# KiCad board 100p-keebored.kicad_pcb (continued)
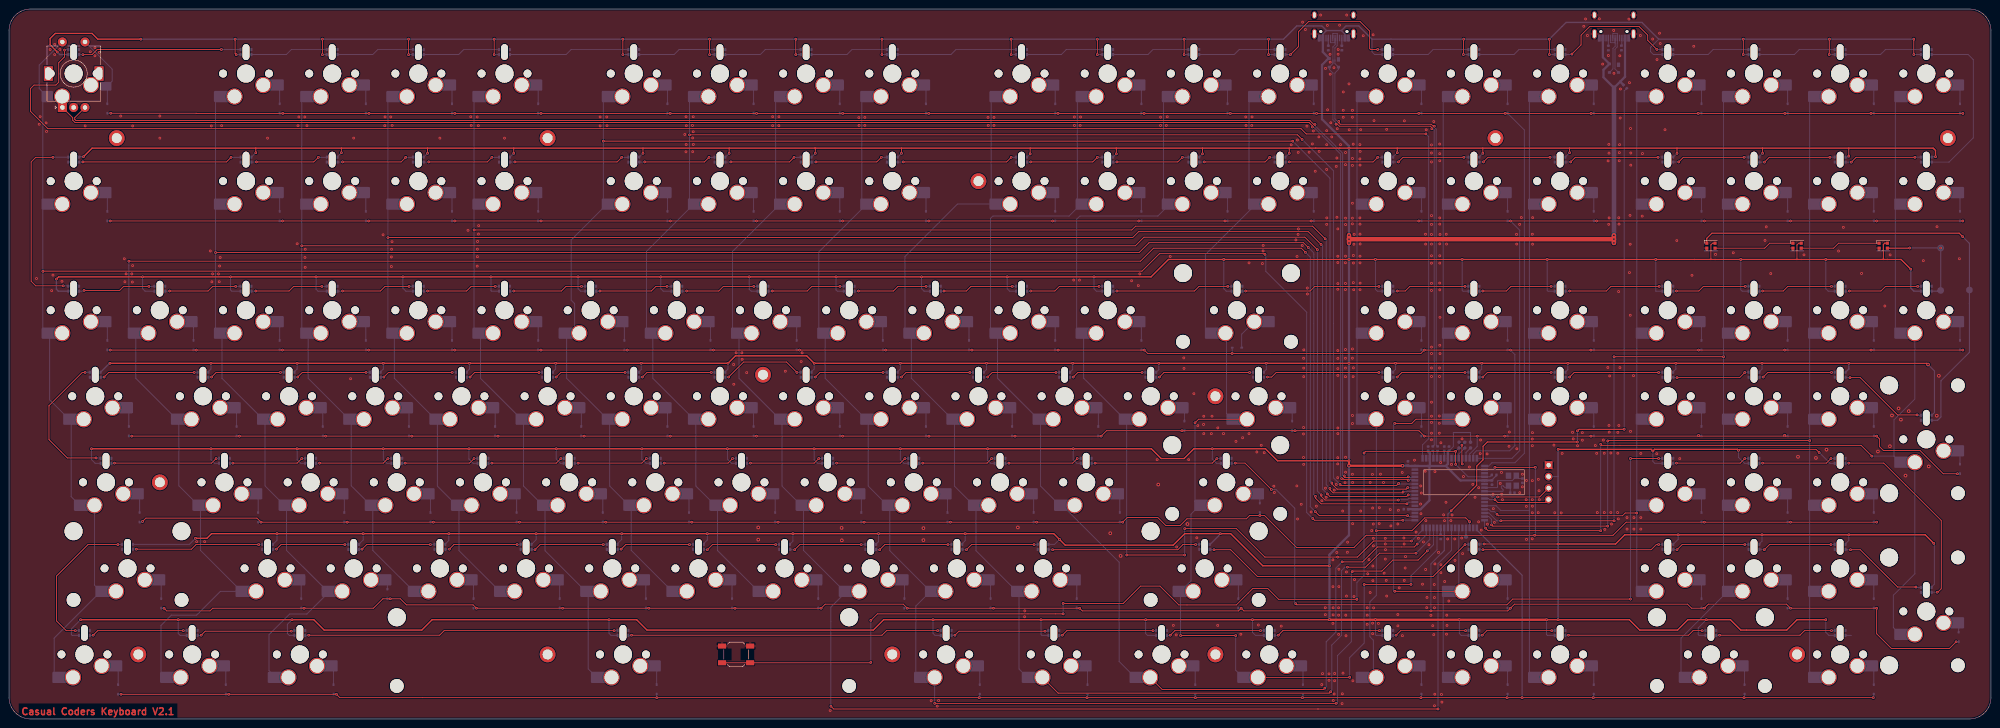
[diagram p0: board, top side]
## Placement (name value [footprint] x y rotation side) (continued)
SW127  SW_Push  [SW_Hotswap_Kailh_MX_plated_1.00u]  342.9 14.29 180 top
SW128  SW_Push  [SW_Hotswap_Kailh_MX_plated_2.00u]  376.24 14.29 180 top
SW129  SW_Push  [SW_Hotswap_Kailh_MX_plated_1.00u]  404.81 14.29 180 top
SW130  RotaryEncoder_Switch  [RotaryEncoder_Alps_EC11E-Switch_Vertical_H20mm]  14.29 142.88 90 top
SW200  SW_Push  [SW_SPST_SKQG_WithStem]  160.73 14.29 0 top
U1  AT90USB1286-A  [TQFP-64_14x14mm_P0.8mm]  318.49 50.01 270 bottom
U2  WS2812B-2020  [LED_WS2812B-2020_PLCC4_2.0x2.0mm]  414.34 104.77 0 top
U3  WS2812B-2020  [LED_WS2812B-2020_PLCC4_2.0x2.0mm]  395.29 104.77 0 top
U4  WS2812B-2020  [LED_WS2812B-2020_PLCC4_2.0x2.0mm]  376.24 104.77 0 top
Y1  JYJE 3TJ480000JYLBC  [Crystal_SMD_3225-4Pin_3.2x2.5mm]  332.35 52.76 270 bottom

## Library data of the parts
C1 C2 C8 = -: Description: Unpolarized capacitor, small symbol
C3-C7 = -: Description: Unpolarized capacitor
D1 D3-D129 = -: Description: Diode
D130 D200 = -: Description: Ultra low capacitance double rail-to-rail ESD protection diode, SOT-143
D201 D203-D329 = -: Description: RGB LED with integrated controller
J1 = -: Description: Atmel 6-pin ISP connector
J2 J3 = -: Description: USB 2.0-only Type-C Receptacle connector
J4 = -: Description: Generic connector, single row, 01x04, script generated (kicad-library-utils/schlib/autogen/connector/)
R1-R6 R9 = -: Description: Resistor
R7 R8 = -: Description: Resistor, small symbol
SW1 SW3-SW129 SW200 = -: Description: Push button switch, generic, two pins
SW130 = -: Description: Rotary encoder, dual channel, incremental quadrate outputs, with switch
U1 = -: Description: 16MHz, 128kB Flash, 8kB SRAM, 4kB EEPROM, USB 2.0, TQFP-64
Y1 = -: Description: Four pin crystal, GND on pins 2 and 4

## Footprints (pads in the part's own frame, mm; a bottom-side part is the same pattern mirrored in y, then rotated)
C_0402_1005Metric
  rrect 0.56x0.62 smd: 1(-0.48,0) 2(0.48,0)
Crystal_SMD_3225-4Pin_3.2x2.5mm
  rect 1.4x1.2 smd: 1(-1.1,-0.85) 2(1.1,-0.85) 3(1.1,0.85) 4(-1.1,0.85)
D_SOD-323
  rrect 0.6x0.45 smd: 1(-1.05,0) 2(1.05,0)
LED_WS2812B-2020_PLCC4_2.0x2.0mm
  rect 0.7x0.7 smd: 1(-0.915,0.55) 2(-0.915,-0.55) 3(0.915,-0.55) 4(0.915,0.55)
R_0402_1005Metric
  rrect 0.54x0.64 smd: 1(-0.51,0) 2(0.51,0)
RotaryEncoder_Alps_EC11E-Switch_Vertical_H20mm
  rect 2x2 hole 1: A(-7.5,2.5)
  round 2 hole 1: B(-7.5,-2.5) C(-7.5,0) S1(7,-2.5) S2(7,2.5)
  rect 3.2x2 hole 2.8x1.5: MP(0,5.6) MP(0,-5.6)
SOT-143
  rect 0.7x1 smd: 1(-1,0.75)
  rect 0.7x0.6 smd: 2(-1,-0.95) 3(1,-0.95) 4(1,0.95)
SSD1306_128_32
  rect 1.7x1.7 hole 1: 1(16.51,3.81)
  round 1.7 hole 1: 2(16.51,1.27) 3(16.51,-1.27) 4(16.51,-3.81)
Stabilizer_Cherry_MX_2.00u
  round 3.048 hole 3.048 unplated: (-11.938,6.985) (11.938,6.985)
  round 3.988 hole 3.988 unplated: (-11.938,-8.225) (11.938,-8.225)
Stabilizer_Cherry_MX_6.25u
  round 3.048 hole 3.048 unplated: (-50,6.985) (50,6.985)
  round 3.988 hole 3.988 unplated: (-50,-8.225) (50,-8.225)
SW_Hotswap_Kailh_MX_plated_1.00u
  rrect 2.55x2.5 smd: (-7.085,2.54) (5.842,5.08)
  round 1.75 hole 1.75 unplated: (-5.08,0) (5.08,0)
  round 3.1 smd: (-3.81,2.54) (2.54,5.08)
  round 4 hole 4 unplated: (0,0)
  rrect 3.55x2.5 smd far side: 1(-6.585,2.54) 2(5.32,5.08)
  round 3.6 hole 3.05: 1(-3.81,2.54) 2(2.54,5.08)
SW_Hotswap_Kailh_MX_plated_1.00u#2
  rrect 2.55x2.5 smd: (-7.085,2.54) (5.842,5.08)
  round 1.75 hole 1.75 unplated: (-5.08,0) (5.08,0)
  round 3.1 smd: (-3.81,2.54) (2.54,5.08)
  round 4 hole 4 unplated: (0,0)
  rrect 2.56x1.94 smd far side: 1(-7.08,2.82)
  round 3.6 hole 3.05: 1(-3.81,2.54) 2(2.54,5.08)
  rrect 2.54x2.5 smd far side: 2(5.842,5.08)
SW_Hotswap_Kailh_MX_plated_1.25u
  rrect 2.55x2.5 smd: (-7.085,2.54) (5.842,5.08)
  round 1.75 hole 1.75 unplated: (-5.08,0) (5.08,0)
  round 3.1 smd: (-3.81,2.54) (2.54,5.08)
  round 4 hole 4 unplated: (0,0)
  rrect 3.55x2.5 smd far side: 1(-6.585,2.54) 2(5.32,5.08)
  round 3.6 hole 3.05: 1(-3.81,2.54) 2(2.54,5.08)
SW_Hotswap_Kailh_MX_plated_1.50u
  rrect 2.55x2.5 smd: (-7.085,2.54) (5.842,5.08)
  round 1.75 hole 1.75 unplated: (-5.08,0) (5.08,0)
  round 3.1 smd: (-3.81,2.54) (2.54,5.08)
  round 4 hole 4 unplated: (0,0)
  rrect 3.55x2.5 smd far side: 1(-6.585,2.54) 2(5.32,5.08)
  round 3.6 hole 3.05: 1(-3.81,2.54) 2(2.54,5.08)
SW_Hotswap_Kailh_MX_plated_1.75u
  rrect 2.55x2.5 smd: (-7.085,2.54) (5.842,5.08)
  round 1.75 hole 1.75 unplated: (-5.08,0) (5.08,0)
  round 3.1 smd: (-3.81,2.54) (2.54,5.08)
  round 4 hole 4 unplated: (0,0)
  rrect 3.55x2.5 smd far side: 1(-6.585,2.54) 2(5.32,5.08)
  round 3.6 hole 3.05: 1(-3.81,2.54) 2(2.54,5.08)
SW_Hotswap_Kailh_MX_plated_2.00u
  rrect 2.55x2.5 smd: (-7.085,2.54) (5.842,5.08)
  round 1.75 hole 1.75 unplated: (-5.08,0) (5.08,0)
  round 3.1 smd: (-3.81,2.54) (2.54,5.08)
  round 4 hole 4 unplated: (0,0)
  rrect 3.55x2.5 smd far side: 1(-6.585,2.54) 2(5.32,5.08)
  round 3.6 hole 3.05: 1(-3.81,2.54) 2(2.54,5.08)
SW_Hotswap_Kailh_MX_plated_2.00u_90deg
  rrect 2.55x2.5 smd: (-7.085,2.54) (5.842,5.08)
  round 1.75 hole 1.75 unplated: (-5.08,0) (5.08,0)
  round 3.1 smd: (-3.81,2.54) (2.54,5.08)
  round 4 hole 4 unplated: (0,0)
  rrect 3.55x2.5 smd far side: 1(-6.585,2.54) 2(5.32,5.08)
  round 3.6 hole 3.05: 1(-3.81,2.54) 2(2.54,5.08)
SW_Hotswap_Kailh_MX_plated_2.25u
  rrect 2.55x2.5 smd: (-7.085,2.54) (5.842,5.08)
  round 1.75 hole 1.75 unplated: (-5.08,0) (5.08,0)
  round 3.1 smd: (-3.81,2.54) (2.54,5.08)
  round 4 hole 4 unplated: (0,0)
  rrect 3.55x2.5 smd far side: 1(-6.585,2.54) 2(5.32,5.08)
  round 3.6 hole 3.05: 1(-3.81,2.54) 2(2.54,5.08)
SW_Hotswap_Kailh_MX_plated_2.75u
  rrect 2.55x2.5 smd: (-7.085,2.54) (5.842,5.08)
  round 1.75 hole 1.75 unplated: (-5.08,0) (5.08,0)
  round 3.1 smd: (-3.81,2.54) (2.54,5.08)
  round 4 hole 4 unplated: (0,0)
  rrect 3.55x2.5 smd far side: 1(-6.585,2.54) 2(5.32,5.08)
  round 3.6 hole 3.05: 1(-3.81,2.54) 2(2.54,5.08)
SW_Hotswap_Kailh_MX_plated_6.25u
  rrect 2.55x2.5 smd: (-7.085,2.54) (5.842,5.08)
  round 1.75 hole 1.75 unplated: (-5.08,0) (5.08,0)
  round 3.1 smd: (-3.81,2.54) (2.54,5.08)
  round 4 hole 4 unplated: (0,0)
  rrect 3.55x2.5 smd far side: 1(-6.585,2.54) 2(5.32,5.08)
  round 3.6 hole 3.05: 1(-3.81,2.54) 2(2.54,5.08)
SW_SPST_SKQG_WithStem
  rect 1.8x1.1 smd: 1(-3.1,1.85) 1(3.1,1.85) 2(-3.1,-1.85) 2(3.1,-1.85)
Tag-Connect_TC2030-IDC-NL_2x03_P1.27mm_Vertical
  round 0.787 smd: 1(-1.27,-0.635) 2(-1.27,0.635) 3(0,-0.635) 4(0,0.635) 5(1.27,-0.635) 6(1.27,0.635)
TestPoint_Pad_D1.0mm
  round 1 smd: 1(0,0)
TestPoint_Pad_D1.5mm
  round 1.5 smd: 1(0,0)
TQFP-64_14x14mm_P0.8mm
  rect 1.5x0.55 smd: 1(-7.7,6) 2(-7.7,5.2) 3(-7.7,4.4) 4(-7.7,3.6) 5(-7.7,2.8) 6(-7.7,2) 7(-7.7,1.2) 8(-7.7,0.4) 9(-7.7,-0.4) 10(-7.7,-1.2) 11(-7.7,-2) 12(-7.7,-2.8) 13(-7.7,-3.6) 14(-7.7,-4.4) 15(-7.7,-5.2) 16(-7.7,-6) 33(7.7,-6) 34(7.7,-5.2) 35(7.7,-4.4) 36(7.7,-3.6) 37(7.7,-2.8) 38(7.7,-2) 39(7.7,-1.2) 40(7.7,-0.4) 41(7.7,0.4) 42(7.7,1.2) 43(7.7,2) 44(7.7,2.8) 45(7.7,3.6) 46(7.7,4.4) 47(7.7,5.2) 48(7.7,6)
  rect 0.55x1.5 smd: 17(-6,-7.7) 18(-5.2,-7.7) 19(-4.4,-7.7) 20(-3.6,-7.7) 21(-2.8,-7.7) 22(-2,-7.7) 23(-1.2,-7.7) 24(-0.4,-7.7) 25(0.4,-7.7) 26(1.2,-7.7) 27(2,-7.7) 28(2.8,-7.7) 29(3.6,-7.7) 30(4.4,-7.7) 31(5.2,-7.7) 32(6,-7.7) 49(6,7.7) 50(5.2,7.7) 51(4.4,7.7) 52(3.6,7.7) 53(2.8,7.7) 54(2,7.7) 55(1.2,7.7) 56(0.4,7.7) 57(-0.4,7.7) 58(-1.2,7.7) 59(-2,7.7) 60(-2.8,7.7) 61(-3.6,7.7) 62(-4.4,7.7) 63(-5.2,7.7) 64(-6,7.7)
unnamed
  round 3.5 hole 2.2: 1(0,0)
unnamed#2
  round 1.5 smd far side: 1(0,0)
USB_C_Receptacle_HRO_TYPE-C-31-M-12
  round 0.65 hole 0.65 unplated: (-2.89,2.6) (2.89,2.6)
  rect 0.6x1.45 smd: A1(-3.25,4.045) A4(-2.45,4.045) A9(2.45,4.045) A12(3.25,4.045) B1(3.25,4.045) B4(2.45,4.045) B9(-2.45,4.045) B12(-3.25,4.045)
  rect 0.3x1.45 smd: A5(-1.25,4.045) A6(-0.25,4.045) A7(0.25,4.045) A8(1.25,4.045) B5(1.75,4.045) B6(0.75,4.045) B7(-0.75,4.045) B8(-1.75,4.045)
  oval 1x1.6 hole 0.6x1.2: S1(-4.32,-1.05) S1(4.32,-1.05)
  oval 1x2.1 hole 0.6x1.7: S1(-4.32,3.13) S1(4.32,3.13)
WS2812B-2020 ShineThrough
  oval 1.5x3.5 hole 1.5x3.5 unplated: (0,0)
  rrect 0.475x0.7 smd: 1(1.188,-0.55) 2(-1.188,-0.55) 3(-1.188,0.55)
  rrect 0.5x0.7 smd: 4(1.2,0.55)

## Nets
GND: C1.1 C2.1 C3.2 C4.2 C5.2 C6.2 C7.2 C8.1 D130.1 D200.1 D201.3 D203.3 D204.3 D205.3 D206.3 D207.3 D208.3 D209.3 D210.3 D211.3 D212.3 D213.3 D214.3 D215.3 D216.3 D217.3 D218.3 D219.3 D220.3 D221.3 D222.3 D223.3 D224.3 D225.3 D226.3 D227.3 D228.3 D229.3 D230.3 D231.3 D232.3 D233.3 D234.3 D235.3 D236.3 D237.3 D238.3 D239.3 D240.3 D241.3 D242.3 D243.3 D244.3 D245.3 D246.3 D247.3 D248.3 D249.3 D250.3 D251.3 D252.3 D253.3 D254.3 D255.3 D256.3 D257.3 D258.3 D259.3 D260.3 D261.3 D262.3 D263.3 D264.3 D265.3 D266.3 D267.3 D268.3 D269.3 D270.3 D271.3 D272.3 D273.3 D274.3 D275.3 D276.3 D277.3 D278.3 D279.3 D280.3 D281.3 D282.3 D283.3 D284.3 D285.3 D286.3 D287.3 D288.3 D289.3 D290.3 D291.3 D292.3 D293.3 D294.3 D295.3 D296.3 D297.3 D298.3 D299.3 D300.3 D301.3 D302.3 D303.3 D304.3 D305.3 D306.3 D307.3 D308.3 D309.3 D310.3 D311.3 D312.3 D313.3 D314.3 D315.3 D316.3 D317.3 D318.3 D319.3 D320.3 D321.3 D322.3 D323.3 D324.3 D325.3 D326.3 D327.3 D328.3 D329.3 J1.6 J2.A1 J2.A12 J2.B1 J2.B12 J2.S1 J3.A1 J3.A12 J3.B1 J3.B12 J3.S1 J4.1 R2.2 R3.2 R6.1 R7.2 R8.2 SW130.C SW200.1 U1.6 U1.22 U1.53 U1.63 U2.2 U3.2 U4.2 Y1.2 Y1.4
/LEDs/LED_BK: D263.4 U4.1
/LEDs/LED_BR: D262.2 U2.3
/xtal+: C2.2 U1.24 Y1.3
/xtal-: C1.2 U1.23 Y1.1
A+: D130.2 J3.A6 J3.B6
A-: D130.3 J3.A7 J3.B7
Col1: SW1.2 SW22.2 SW42.2 SW63.2 SW84.2 SW100.2 SW117.2 SW130.S2 U1.49
Col2: SW43.2 SW64.2 SW85.2 SW101.2 SW118.2 U1.50
Col3: SW3.2 SW23.2 SW44.2 SW65.2 SW86.2 SW102.2 SW119.2 U1.54
Col4: SW4.2 SW24.2 SW45.2 SW66.2 SW87.2 SW103.2 U1.55
Col5: SW5.2 SW25.2 SW46.2 SW67.2 SW88.2 SW104.2 U1.56
Col6: SW6.2 SW26.2 SW47.2 SW68.2 SW89.2 SW105.2 SW120.2 U1.57
Col7: SW7.2 SW27.2 SW48.2 SW69.2 SW90.2 SW106.2 U1.58
Col8: SW8.2 SW28.2 SW49.2 SW70.2 SW91.2 SW107.2 U1.59
Col9: SW9.2 SW29.2 SW50.2 SW71.2 SW92.2 SW108.2 U1.40
Col10: SW10.2 SW30.2 SW51.2 SW72.2 SW93.2 SW109.2 SW121.2 U1.45
Col11: SW11.2 SW31.2 SW52.2 SW73.2 SW94.2 SW110.2 SW122.2 U1.46
Col12: SW12.2 SW32.2 SW53.2 SW74.2 SW95.2 SW123.2 U1.47
Col13: SW13.2 SW33.2 SW54.2 SW75.2 U1.48
Col14: SW14.2 SW34.2 SW55.2 SW76.2 SW96.2 SW111.2 SW124.2 U1.44
Col15: SW15.2 SW35.2 SW56.2 SW77.2 SW125.2 U1.35
Col16: SW16.2 SW36.2 SW57.2 SW78.2 SW112.2 SW126.2 U1.38
Col17: SW17.2 SW37.2 SW58.2 SW79.2 SW127.2 U1.28
Col18: SW18.2 SW38.2 SW59.2 SW80.2 SW97.2 SW113.2 U1.29
Col19: SW19.2 SW39.2 SW60.2 SW81.2 SW98.2 SW114.2 SW128.2 U1.30
Col20: SW20.2 SW40.2 SW61.2 SW82.2 SW99.2 SW115.2 SW129.2 U1.31
Col21: SW21.2 SW41.2 SW62.2 SW83.2 SW116.2 U1.32
D+: D200.2 J2.A6 J2.B6 R4.1
D-: D200.3 J2.A7 J2.B7 R5.1
enc+: SW130.B U1.61
enc-: SW130.A U1.60
extraUSBSense: C3.1 C4.1 C5.1 C6.1 C7.1 D130.4 D200.4 D201.1 D203.1 D204.1 D205.1 D206.1 D207.1 D208.1 D209.1 D210.1 D211.1 D212.1 D213.1 D214.1 D215.1 D216.1 D217.1 D218.1 D219.1 D220.1 D221.1 D222.1 D223.1 D224.1 D225.1 D226.1 D227.1 D228.1 D229.1 D230.1 D231.1 D232.1 D233.1 D234.1 D235.1 D236.1 D237.1 D238.1 D239.1 D240.1 D241.1 D242.1 D243.1 D244.1 D245.1 D246.1 D247.1 D248.1 D249.1 D250.1 D251.1 D252.1 D253.1 D254.1 D255.1 D256.1 D257.1 D258.1 D259.1 D260.1 D261.1 D262.1 D263.1 D264.1 D265.1 D266.1 D267.1 D268.1 D269.1 D270.1 D271.1 D272.1 D273.1 D274.1 D275.1 D276.1 D277.1 D278.1 D279.1 D280.1 D281.1 D282.1 D283.1 D284.1 D285.1 D286.1 D287.1 D288.1 D289.1 D290.1 D291.1 D292.1 D293.1 D294.1 D295.1 D296.1 D297.1 D298.1 D299.1 D300.1 D301.1 D302.1 D303.1 D304.1 D305.1 D306.1 D307.1 D308.1 D309.1 D310.1 D311.1 D312.1 D313.1 D314.1 D315.1 D316.1 D317.1 D318.1 D319.1 D320.1 D321.1 D322.1 D323.1 D324.1 D325.1 D326.1 D327.1 D328.1 D329.1 J1.2 J2.A4 J2.A9 J2.B4 J2.B9 J3.A4 J3.A9 J3.B4 J3.B9 J4.2 R1.1 R9.2 U1.3 U1.8 U1.21 U1.52 U1.64 U2.4 U3.4 U4.4
LED Input: D201.4 U1.1
MISO: J1.1 U1.13
MOSI: J1.4 U1.12
RESET: J1.5 R1.2 SW200.2 U1.20
Row1: D1.1 D3.1 D4.1 D5.1 D6.1 D7.1 D8.1 D9.1 D10.1 D11.1 D12.1 D13.1 D14.1 D15.1 D16.1 D17.1 D18.1 D19.1 D20.1 D21.1 U1.17
Row2: D22.1 D23.1 D24.1 D25.1 D26.1 D27.1 D28.1 D29.1 D30.1 D31.1 D32.1 D33.1 D34.1 D35.1 D36.1 D37.1 D38.1 D39.1 D40.1 D41.1 U1.16
Row3: D42.1 D43.1 D44.1 D45.1 D46.1 D47.1 D48.1 D49.1 D50.1 D51.1 D52.1 D53.1 D54.1 D55.1 D56.1 D57.1 D58.1 D59.1 D60.1 D61.1 D62.1 U1.15
Row4: D63.1 D64.1 D65.1 D66.1 D67.1 D68.1 D69.1 D70.1 D71.1 D72.1 D73.1 D74.1 D75.1 D76.1 D77.1 D78.1 D79.1 D80.1 D81.1 D82.1 D83.1 U1.14
Row5: D84.1 D85.1 D86.1 D87.1 D88.1 D89.1 D90.1 D91.1 D92.1 D93.1 D94.1 D95.1 D96.1 D97.1 D98.1 D99.1 U1.18
Row6: D100.1 D101.1 D102.1 D103.1 D104.1 D105.1 D106.1 D107.1 D108.1 D109.1 D110.1 D111.1 D112.1 D113.1 D114.1 D115.1 D116.1 U1.42
Row7: D117.1 D118.1 D119.1 D120.1 D121.1 D122.1 D123.1 D124.1 D125.1 D126.1 D127.1 D128.1 D129.1 U1.33
SCK: J1.3 U1.11
SCL: J4.3 U1.25
SDA: J4.4 U1.26
sw1Out: D1.2 SW1.1 SW130.S1
Net-(D3-A): D3.2 SW3.1
Net-(D4-A): D4.2 SW4.1
Net-(D5-A): D5.2 SW5.1
Net-(D6-A): D6.2 SW6.1
Net-(D7-A): D7.2 SW7.1
Net-(D8-A): D8.2 SW8.1
Net-(D9-A): D9.2 SW9.1
Net-(D10-A): D10.2 SW10.1
Net-(D11-A): D11.2 SW11.1
Net-(D12-A): D12.2 SW12.1
Net-(D13-A): D13.2 SW13.1
Net-(D14-A): D14.2 SW14.1
Net-(D15-A): D15.2 SW15.1
Net-(D16-A): D16.2 SW16.1
Net-(D17-A): D17.2 SW17.1
Net-(D18-A): D18.2 SW18.1
Net-(D19-A): D19.2 SW19.1
Net-(D20-A): D20.2 SW20.1
Net-(D21-A): D21.2 SW21.1
Net-(D22-A): D22.2 SW22.1
Net-(D23-A): D23.2 SW23.1
Net-(D24-A): D24.2 SW24.1
Net-(D25-A): D25.2 SW25.1
Net-(D26-A): D26.2 SW26.1
Net-(D27-A): D27.2 SW27.1
Net-(D28-A): D28.2 SW28.1
Net-(D29-A): D29.2 SW29.1
Net-(D30-A): D30.2 SW30.1
Net-(D31-A): D31.2 SW31.1
Net-(D32-A): D32.2 SW32.1
Net-(D33-A): D33.2 SW33.1
Net-(D34-A): D34.2 SW34.1
Net-(D35-A): D35.2 SW35.1
Net-(D36-A): D36.2 SW36.1
Net-(D37-A): D37.2 SW37.1
Net-(D38-A): D38.2 SW38.1
Net-(D39-A): D39.2 SW39.1
Net-(D40-A): D40.2 SW40.1
Net-(D41-A): D41.2 SW41.1
Net-(D42-A): D42.2 SW42.1
Net-(D43-A): D43.2 SW43.1
Net-(D44-A): D44.2 SW44.1
Net-(D45-A): D45.2 SW45.1
Net-(D46-A): D46.2 SW46.1
Net-(D47-A): D47.2 SW47.1
Net-(D48-A): D48.2 SW48.1
Net-(D49-A): D49.2 SW49.1
Net-(D50-A): D50.2 SW50.1
Net-(D51-A): D51.2 SW51.1
Net-(D52-A): D52.2 SW52.1
Net-(D53-A): D53.2 SW53.1
Net-(D54-A): D54.2 SW54.1
Net-(D55-A): D55.2 SW55.1
Net-(D56-A): D56.2 SW56.1
Net-(D57-A): D57.2 SW57.1
Net-(D58-A): D58.2 SW58.1
Net-(D59-A): D59.2 SW59.1
Net-(D60-A): D60.2 SW60.1
Net-(D61-A): D61.2 SW61.1
Net-(D62-A): D62.2 SW62.1
Net-(D63-A): D63.2 SW63.1
Net-(D64-A): D64.2 SW64.1
Net-(D65-A): D65.2 SW65.1
Net-(D66-A): D66.2 SW66.1
Net-(D67-A): D67.2 SW67.1
Net-(D68-A): D68.2 SW68.1
Net-(D69-A): D69.2 SW69.1
Net-(D70-A): D70.2 SW70.1
Net-(D71-A): D71.2 SW71.1
Net-(D72-A): D72.2 SW72.1
Net-(D73-A): D73.2 SW73.1
Net-(D74-A): D74.2 SW74.1
Net-(D75-A): D75.2 SW75.1
Net-(D76-A): D76.2 SW76.1
Net-(D77-A): D77.2 SW77.1
Net-(D78-A): D78.2 SW78.1
Net-(D79-A): D79.2 SW79.1
Net-(D80-A): D80.2 SW80.1
Net-(D81-A): D81.2 SW81.1
Net-(D82-A): D82.2 SW82.1
Net-(D83-A): D83.2 SW83.1
Net-(D84-A): D84.2 SW84.1
Net-(D85-A): D85.2 SW85.1
Net-(D86-A): D86.2 SW86.1
Net-(D87-A): D87.2 SW87.1
Net-(D88-A): D88.2 SW88.1
Net-(D89-A): D89.2 SW89.1
Net-(D90-A): D90.2 SW90.1
Net-(D91-A): D91.2 SW91.1
Net-(D92-A): D92.2 SW92.1
Net-(D93-A): D93.2 SW93.1
Net-(D94-A): D94.2 SW94.1
Net-(D95-A): D95.2 SW95.1
Net-(D96-A): D96.2 SW96.1
Net-(D97-A): D97.2 SW97.1
Net-(D98-A): D98.2 SW98.1
Net-(D99-A): D99.2 SW99.1
Net-(D100-A): D100.2 SW100.1
Net-(D101-A): D101.2 SW101.1
Net-(D102-A): D102.2 SW102.1
Net-(D103-A): D103.2 SW103.1
Net-(D104-A): D104.2 SW104.1
Net-(D105-A): D105.2 SW105.1
Net-(D106-A): D106.2 SW106.1
Net-(D107-A): D107.2 SW107.1
Net-(D108-A): D108.2 SW108.1
Net-(D109-A): D109.2 SW109.1
Net-(D110-A): D110.2 SW110.1
Net-(D111-A): D111.2 SW111.1
Net-(D112-A): D112.2 SW112.1
Net-(D113-A): D113.2 SW113.1
Net-(D114-A): D114.2 SW114.1
Net-(D115-A): D115.2 SW115.1
Net-(D116-A): D116.2 SW116.1
Net-(D117-A): D117.2 SW117.1
Net-(D118-A): D118.2 SW118.1
Net-(D119-A): D119.2 SW119.1
Net-(D120-A): D120.2 SW120.1
Net-(D121-A): D121.2 SW121.1
Net-(D122-A): D122.2 SW122.1
Net-(D123-A): D123.2 SW123.1
Net-(D124-A): D124.2 SW124.1
Net-(D125-A): D125.2 SW125.1
Net-(D126-A): D126.2 SW126.1
Net-(D127-A): D127.2 SW127.1
Net-(D128-A): D128.2 SW128.1
Net-(D129-A): D129.2 SW129.1
Net-(D201-DOUT): D201.2
Net-(D202-DOUT): D203.4
Net-(D203-DOUT): D203.2 D204.4
Net-(D204-DOUT): D204.2 D205.4
Net-(D205-DOUT): D205.2 D206.4
Net-(D206-DOUT): D206.2 D207.4
Net-(D207-DOUT): D207.2 D208.4
Net-(D208-DOUT): D208.2 D209.4
Net-(D209-DOUT): D209.2 D210.4
Net-(D210-DOUT): D210.2 D211.4
Net-(D211-DOUT): D211.2 D212.4
Net-(D212-DOUT): D212.2 D213.4
Net-(D213-DOUT): D213.2 D214.4
Net-(D214-DOUT): D214.2 D215.4
Net-(D215-DOUT): D215.2 D216.4
Net-(D216-DOUT): D216.2 D217.4
Net-(D217-DOUT): D217.2 D218.4
Net-(D218-DOUT): D218.2 D219.4
Net-(D219-DOUT): D219.2 D220.4
Net-(D220-DOUT): D220.2 D221.4
Net-(D221-DOUT): D221.2 D222.4
Net-(D222-DOUT): D222.2 D223.4
Net-(D223-DOUT): D223.2 D224.4
Net-(D224-DOUT): D224.2 D225.4
Net-(D225-DOUT): D225.2 D226.4
Net-(D226-DOUT): D226.2 D227.4
Net-(D227-DOUT): D227.2 D228.4
Net-(D228-DOUT): D228.2 D229.4
Net-(D229-DOUT): D229.2 D230.4
Net-(D230-DOUT): D230.2 D231.4
Net-(D231-DOUT): D231.2 D232.4
Net-(D232-DOUT): D232.2 D233.4
Net-(D233-DOUT): D233.2 D234.4
Net-(D234-DOUT): D234.2 D235.4
Net-(D235-DOUT): D235.2 D236.4
Net-(D236-DOUT): D236.2 D237.4
Net-(D237-DOUT): D237.2 D238.4
Net-(D238-DOUT): D238.2 D239.4
Net-(D239-DOUT): D239.2 D240.4
Net-(D240-DOUT): D240.2 D241.4
Net-(D241-DOUT): D241.2 D242.4
Net-(D242-DOUT): D242.2 D243.4
Net-(D243-DOUT): D243.2 D244.4
Net-(D244-DOUT): D244.2 D245.4
Net-(D245-DOUT): D245.2 D246.4
Net-(D246-DOUT): D246.2 D247.4
Net-(D247-DOUT): D247.2 D248.4
Net-(D248-DOUT): D248.2 D249.4
Net-(D249-DOUT): D249.2 D250.4
Net-(D250-DOUT): D250.2 D251.4
Net-(D251-DOUT): D251.2 D252.4
Net-(D252-DOUT): D252.2 D253.4
Net-(D253-DOUT): D253.2 D254.4
Net-(D254-DOUT): D254.2 D255.4
Net-(D255-DOUT): D255.2 D256.4
Net-(D256-DOUT): D256.2 D257.4
Net-(D257-DOUT): D257.2 D258.4
Net-(D258-DOUT): D258.2 D259.4
Net-(D259-DOUT): D259.2 D260.4
Net-(D260-DOUT): D260.2 D261.4
Net-(D261-DOUT): D261.2 D262.4
Net-(D262-DOUT): NOREF#3.1 NOREF#8.1 REF**#10.1
Net-(D263-DOUT): D263.2 D264.4
Net-(D264-DOUT): D264.2 D265.4
Net-(D265-DOUT): D265.2 D266.4
Net-(D266-DOUT): D266.2 D267.4
Net-(D267-DOUT): D267.2 D268.4
Net-(D268-DOUT): D268.2 D269.4
Net-(D269-DOUT): D269.2 D270.4
Net-(D270-DOUT): D270.2 D271.4
Net-(D271-DOUT): D271.2 D272.4
Net-(D272-DOUT): D272.2 D273.4
Net-(D273-DOUT): D273.2 D274.4
Net-(D274-DOUT): D274.2 D275.4
Net-(D275-DOUT): D275.2 D276.4
Net-(D276-DOUT): D276.2 D277.4
Net-(D277-DOUT): D277.2 D278.4
Net-(D278-DOUT): D278.2 D279.4
Net-(D279-DOUT): D279.2 D280.4
Net-(D280-DOUT): D280.2 D281.4
Net-(D281-DOUT): D281.2 D282.4
Net-(D282-DOUT): D282.2 D283.4
Net-(D283-DOUT): D283.2 D284.4
Net-(D284-DOUT): D284.2 D285.4
Net-(D285-DOUT): D285.2 D286.4
Net-(D286-DOUT): D286.2 D287.4
Net-(D287-DOUT): D287.2 D288.4
Net-(D288-DOUT): D288.2 D289.4
Net-(D289-DOUT): D289.2 D290.4
Net-(D290-DOUT): D290.2 D291.4
Net-(D291-DOUT): D291.2 D292.4
Net-(D292-DOUT): D292.2 D293.4
Net-(D293-DOUT): D293.2 D294.4
Net-(D294-DOUT): D294.2 D295.4
Net-(D295-DOUT): D295.2 D296.4
Net-(D296-DOUT): D296.2 D297.4
Net-(D297-DOUT): D297.2 D298.4
Net-(D298-DOUT): D298.2 D299.4
Net-(D299-DOUT): D299.2 D300.4
Net-(D300-DOUT): D300.2 D301.4
Net-(D301-DOUT): D301.2 D302.4
Net-(D302-DOUT): D302.2 D303.4
Net-(D303-DOUT): D303.2 D304.4
Net-(D304-DOUT): D304.2 D305.4
Net-(D305-DOUT): D305.2 D306.4
Net-(D306-DOUT): D306.2 D307.4
Net-(D307-DOUT): D307.2 D308.4
Net-(D308-DOUT): D308.2 D309.4
Net-(D309-DOUT): D309.2 D310.4
Net-(D310-DOUT): D310.2 D311.4
Net-(D311-DOUT): D311.2 D312.4
Net-(D312-DOUT): D312.2 D313.4
Net-(D313-DOUT): D313.2 D314.4
Net-(D314-DOUT): D314.2 D315.4
Net-(D315-DOUT): D315.2 D316.4
Net-(D316-DOUT): D316.2 D317.4
Net-(D317-DOUT): D317.2 D318.4
Net-(D318-DOUT): D318.2 D319.4
Net-(D319-DOUT): D319.2 D320.4
Net-(D320-DOUT): D320.2 D321.4
Net-(D321-DOUT): D321.2 D322.4
Net-(D322-DOUT): D322.2 D323.4
Net-(D323-DOUT): D323.2 D324.4
Net-(D324-DOUT): D324.2 D325.4
Net-(D325-DOUT): D325.2 D326.4
Net-(D326-DOUT): D326.2 D327.4
Net-(D327-DOUT): D327.2 D328.4
Net-(D328-DOUT): D328.2 D329.4
Net-(J2-CC1): J2.A5 R2.1
Net-(J2-CC2): J2.B5 R3.1
Net-(J3-CC1): J3.A5 R7.1
Net-(J3-CC2): J3.B5 R8.1
Net-(U1-D+): R4.2 U1.5
Net-(U1-D-): R5.2 U1.4
Net-(U1-PC6): R9.1 U1.41
Net-(U1-PE2/~{HWB}): R6.2 U1.43
Net-(U1-UCAP): C8.2 U1.7
Net-(U2-DOUT): U2.1 U3.3
Net-(U3-DOUT): U3.1 U4.3

Pads without a net: D329 2; J2 A8 B8; J3 A8 B8; NOREF 1; NOREF#2 1; NOREF#4 1; NOREF#5 1; NOREF#6 1; NOREF#7 1; NOREF#9 1; NOREF#10 1; NOREF#11 1; NOREF#12 1; NOREF#13 1; NOREF#14 1; NOREF#15 1; REF**#9 1; SW130 MP; U1 2 9 10 19 27 34 36 37 39 51 62

## Via types
v1: diameter 0.6, hole 0.25, Top to Bottom, 1228 vias
v2: diameter 0.8, hole 0.4, Top to Bottom, 33 vias

## Routing (per net, layer and track width the routed paths; a pad name or vN(x,y) marks a point on that pad's centre or on a via; arc(x,y) is an arc through that point)
GND:
  vias: v1(6.06,97.51) v1(6.67,131.65) v1(6.87,133.32) v1(8.19,131.95) v1(8.29,130.07) v1(9.08,148.21) v1(9.41,94.82) v1(9.72,98.27) v1(10.1,149.35) v1(10.1,147.07) v1(11.24,148.21) v1(11.7,96.9) v1(16.83,131.29) v1(17.97,147.7) v1(18.99,148.59) v1(18.99,146.81) v1(20,147.57) v1(24.7,133.48) v1(25.49,101.88) v1(25.62,96.77) v1(25.87,98.53) v1(27.14,98.53) v1(27.34,131.29) v1(27.32,100.36) v1(27.27,96.72) v1(33.34,133.48) v1(33.34,128.59) v1(41.47,39.24) v1(43.24,39.24) v1(44.49,103.61) v1(44.72,131.29) v1(44.84,96.77) v1(45,98.53) v1(46.29,98.53) v1(46.55,100.28) v1(46.47,96.8) v1(46.67,102.16) v1(47,131.34) v1(57.15,128.59) v1(63.69,105.21) v1(63.87,131.34) v1(64.07,133.27) v1(65.39,133.27) v1(65.42,102.16) v1(65.47,103.99) v1(65.47,99.97) v1(65.85,131.34) v1(75.5,75.31) v1(76.2,128.59) v1(82.69,107.19) v1(83.12,133.27) v1(83.07,131.34) v1(84.39,133.27) v1(84.52,102.29) v1(84.52,100.15) v1(84.57,103.99) v1(84.7,131.39) v1(84.67,105.66) v1(95.25,128.59) v1(101.46,108.18) v1(102.07,133.32) v1(102.17,131.39) v1(103.49,133.27) v1(103.54,104.01) v1(103.54,102.34) v1(103.49,100.25) v1(103.57,105.71) v1(103.75,131.34) v1(103.82,109.22) v1(103.77,107.34) v1(109.54,128.59) v1(130.67,133.27) v1(130.67,131.29) v1(132.14,133.27) v1(132.19,131.34) v1(149.39,129.39) v1(149.64,125.55) v1(149.67,133.32) v1(149.72,131.34) v1(149.69,127.18) v1(151.09,131.39) v1(151.14,128.63) v1(151.14,125.58) v1(151.24,133.32) v1(151.24,130) v1(151.27,127.18) v1(160.19,78.46) v1(160.24,74.09) v1(160.74,81.05) v1(162.01,81.05) v1(162.06,79.63) v1(163.08,76.68) v1(168.82,133.32) v1(168.82,131.34) v1(170.19,133.32) v1(170.19,131.34) v1(171.62,76.99) v1(175.12,79.12) v1(175.32,81.05) v1(181.52,1.85) v1(187.87,133.12) v1(187.92,131.39) v1(189.19,133.17) v1(189.19,131.39) v1(203.85,4.06) v1(205.19,2.84) v1(205.5,4.09) v1(216.42,133.17) v1(216.47,131.39) v1(217.74,133.17) v1(217.74,131.39) v1(224.55,23.92) v1(224.52,22.62) v1(235.37,97.15) v1(235.52,133.27) v1(235.52,131.39) v1(236.64,97.15) v1(236.79,131.39) v1(236.89,133.27) v1(248.17,97) v1(249.64,95.94) v1(249.97,98.53) v1(253.81,57.4) v1(254.57,133.22) v1(254.57,131.39) v1(255.84,131.39) v1(256.04,133.32) v1(256.71,102.39) v1(257.4,20.71) v1(258.04,18.61) v1(258.13,38.07) v1(259.7,79.93) v1(259.75,77.6) v1(260.79,57.4) v1(261.94,72.01) v1(262.6,40.11) v1(262.8,64.95) v1(264.12,67.03) v1(264.07,65.2) v1(264.12,63.17) v1(265.8,63.17) v1(265.95,67.03) v1(267.22,64.44) v1(267.21,20.71) v1(268.49,63.17) v1(271.23,61.44) v1(272.33,18.76) v1(272.71,62.26) v1(273.42,133.27) v1(273.47,131.39) v1(274.13,100.96) v1(274.13,63.17) v1(274.74,131.39) v1(274.79,133.27) v1(275.86,59.11) v1(276.19,20.8) v1(276.82,60.58) v1(277.08,100.81) v1(277.25,104.83) v1(277.23,103.61) v1(277.48,58.95) v1(279.62,51.54) v1(279.72,50.14) v1(281.25,20.55) v1(283.45,127.1) v1(284.49,106.04) v1(284.75,102.39) v1(284.7,51.59) v1(284.82,128.17) v1(284.85,44.27) v1(285,125.43) v1(285.05,108.48) v1(284.98,107.26) v1(285.66,47.52) v1(285.89,104.83) v1(285.97,154.25) v1(286.25,81.71) v1(286.19,79.86) v1(286.22,77.67) v1(286.22,75.77) v1(286.19,64.52) v1(286.17,63.09) v1(286.17,57.89) v1(286.22,56.36) v1(286.58,152.63) v1(286.93,131.24) v1(287.01,95.4) v1(287.03,94.08) v1(287.41,125.48) v1(287.85,45.82) v1(288.12,127.3) v1(288.35,130.17) v1(288.76,121.26) v1(289.01,47.12) v1(289.57,128.85) v1(289.62,125.65) v1(289.98,155.83) v1(290.23,48.31) v1(290.21,7.62) v1(290.39,10.03) v1(291.04,144.03) v1(291.02,51.1) v1(291,24.61) v1(291,23.09) v1(291.17,49.07) v1(291.3,130.23) v1(291.3,127.13) v1(291.3,121.64) v1(291.33,110.92) v1(291.3,109.5) v1(291.45,153.54) v1(291.5,134.85) v1(291.81,9.98) v1(291.81,8.56) v1(292.04,147.15) v1(292.07,145.41) v1(292.07,142.74) v1(292.21,131.98) v1(292.42,128.85) v1(292.67,35.23) v1(292.67,29.29) v1(292.72,24.61) v1(292.72,23.04) v1(292.67,21.16) v1(292.75,4.09) v1(292.9,144.16) v1(292.95,5.54) v1(292.97,50.66) v1(293.05,10.06) v1(293.05,8.46) v1(293.41,122.33) v1(293.41,51.92) v1(293.56,124.18) v1(293.56,111.07) v1(293.54,36.86) v1(293.64,130.68) v1(293.74,57.84) v1(293.74,56.46) v1(293.74,53.42) v1(293.82,148.2) v1(293.82,147.15) v1(293.76,108.48) v1(293.76,102.44) v1(293.76,101.04) v1(293.76,96.37) v1(293.76,95.12) v1(293.76,81.56) v1(293.76,79.83) v1(293.76,77.57) v1(293.76,76.07) v1(293.76,64.41) v1(293.76,63.17) v1(293.94,24.61) v1(293.94,22.99) v1(293.94,18.72) v1(293.99,33.15) v1(293.99,29.29) v1(294.14,153.59) v1(294.35,127.13) v1(294.76,5.56) v1(294.7,3.4) v1(294.83,46.02) v1(294.96,138.81) v1(294.96,134.75) v1(294.96,133.22) v1(294.91,10.16) v1(295.44,100.99) v1(295.44,96.42) v1(295.44,95.05) v1(295.44,81.79) v1(295.44,79.86) v1(295.44,77.67) v1(295.44,75.77) v1(295.36,52.3) v1(295.47,125.4) v1(295.47,122.71) v1(295.47,110.87) v1(295.47,109.45) v1(295.47,102.46) v1(295.47,57.94) v1(295.47,54.64) v1(295.52,22.99) v1(295.57,18.41) v1(295.72,155.83) v1(295.67,32.54) v1(295.67,27.2) v1(295.92,39.14) v1(295.87,36.91) v1(296.23,140.59) v1(296.28,130.43) v1(296.99,134.75) v1(296.99,133.22) v1(296.99,124.08) v1(296.99,122.55) v1(296.99,114.17) v1(296.99,110.87) v1(296.99,109.6) v1(296.99,81.91) v1(296.99,79.88) v1(296.99,67.18) v1(296.99,65.41) v1(296.99,54.18) v1(297.04,52.35) v1(297.04,43.23) v1(297.14,75.77) v1(297.09,8.46) v1(297.17,127.25) v1(297.19,102.59) v1(297.22,100.94) v1(297.19,96.6) v1(297.19,77.72) v1(297.32,105.11) v1(297.27,95.02) v1(297.33,27.1) v1(297.37,107.29) v1(297.45,30.84) v1(298.64,127.15) v1(298.64,123.98) v1(298.64,110.92) v1(298.69,125.65) v1(298.67,122.63) v1(298.67,109.55) v1(298.67,107.34) v1(298.69,105.16) v1(298.67,102.46) v1(298.67,100.96) v1(298.69,96.49) v1(298.67,95.02) v1(298.82,130.45) v1(298.82,46.02) v1(299.38,151.26) v1(300.25,24.61) v1(300.25,22.99) v1(300.24,20.95) v1(300.37,32.13) v1(300.65,35.28) v1(300.9,52.35) v1(300.9,27.99) v1(301.26,41.71) v1(301.41,54.15) v1(301.46,46.69) v1(301.46,21.21) v1(301.46,18.87) v1(301.56,151.46) v1(301.51,33.86) v1(301.51,30.61) v1(301.61,43.15) v1(301.61,40) v1(301.61,38.33) v1(301.67,24.58) v1(301.76,132.46) v1(302.73,21.16) v1(302.93,46.76) v1(302.91,43.26) v1(303.19,54.2) v1(303.85,52.35) v1(304,32.28) v1(304.25,39.99) v1(304.25,38.73) v1(304.25,35.39) v1(304.3,37.46) v1(304.46,30.68) v1(304.56,130.53) v1(304.56,27.2) v1(305.35,46.35) v1(305.49,42.73) v1(307.02,43.15) v1(307.03,23.12) v1(307.04,20.61) v1(307.15,46.2) v1(307.34,29.02) v1(308,54.57) v1(308.04,18.44) v1(308.37,40.06) v1(308.42,38.73) v1(308.44,30.68) v1(308.47,132.41) v1(308.65,33.43) v1(308.72,35.94) v1(310.71,57.3) v1(311.06,41.38) v1(311.57,40) v1(312.05,47.57) v1(312.1,51.59) v1(312.13,45.44) v1(312.2,50.01) v1(312.48,29.84) v1(312.69,39.19) v1(313.14,107.31) v1(313.07,54.84) v1(313.17,105.13) v1(313.22,43.91) v1(313.17,33.1) v1(313.3,130.43) v1(313.42,24.64) v1(313.47,26.9) v1(313.91,38.58) v1(314.34,22.94) v1(314.46,127.08) v1(314.46,125.3) v1(314.46,123.32) v1(314.46,111.43) v1(314.46,109.5) v1(314.46,107.26) v1(314.46,105.13) v1(314.46,102.54) v1(314.46,100.91) v1(314.46,96.44) v1(314.46,94.87) v1(314.46,82.32) v1(314.46,80.9) v1(314.46,77.7) v1(314.46,75.82) v1(314.46,70.13) v1(314.46,67.03) v1(314.46,65.66) v1(314.46,63.27) v1(314.46,61.8) v1(314.74,20.65) v1(314.97,132.26) v1(314.97,18.67) v1(315.07,29.77) v1(315.1,26.87) v1(315.13,24.61) v1(315.13,2.92) v1(315.23,54.76) v1(315.23,34.32) v1(315.2,5.49) v1(316.01,36.88) v1(316.24,77.7) v1(316.24,75.82) v1(316.19,67.08) v1(316.19,65.46) v1(316.19,63.27) v1(316.29,127.28) v1(316.29,125.15) v1(316.29,123.57) v1(316.29,110.92) v1(316.29,109.55) v1(316.34,107.26) v1(316.29,105.18) v1(316.29,102.54) v1(316.29,100.91) v1(316.29,96.49) v1(316.29,95) v1(316.34,88.93) v1(316.29,82.73) v1(316.34,80.9) v1(316.55,61.14) v1(316.5,56.77) v1(316.55,34.14) v1(316.55,32.38) v1(316.67,5.44) v1(316.78,3.73) v1(317.16,45.19) v1(317.33,43.89) v1(317.39,30.43) v1(317.74,107.31) v1(317.67,47.98) v1(317.79,105.13) v1(317.84,22.99) v1(317.79,18.77) v1(317.89,20.7) v1(318.05,39.85) v1(318.3,26.11) v1(318.76,43.92) v1(318.88,56.36) v1(319.01,45.16) v1(319.62,39.85) v1(319.67,35.1) v1(321.14,40.06) v1(321.22,62) v1(321.35,36.6) v1(321.53,53.67) v1(322.85,55.78) v1(323.61,51.94) v1(324.09,49.07) v1(324.9,51.21) v1(324.88,43.64) v1(325.23,58.75) v1(325.31,61.75) v1(325.46,41.81) v1(326.76,58.67) v1(326.83,43.13) v1(328.08,49.76) v1(328.13,46.56) v1(328.36,43.51) v1(329.67,52.16) v1(329.93,54.58) v1(329.98,49.76) v1(330.16,48.54) v1(331.61,60.38) v1(331.69,63.53) v1(333.26,107.29) v1(333.31,105.13) v1(333.34,59.82) v1(333.95,109.5) v1(333.97,50.09) v1(334.33,111) v1(334.56,51.38) v1(334.58,54.18) v1(335.45,52.81) v1(335.39,48.54) v1(335.45,47.07) v1(335.47,39.75) v1(336.74,61.98) v1(336.74,39.88) v1(336.84,110.97) v1(336.77,107.31) v1(336.82,105.11) v1(336.79,63.37) v1(336.77,60.5) v1(336.77,52.76) v1(336.77,48.54) v1(336.77,47.12) v1(336.77,45.64) v1(338.06,45.67) v1(338.09,53.04) v1(338.24,50.52) v1(338.31,48.53) v1(341.54,60.63) v1(341.72,45.64) v1(343.14,45.62) v1(343.34,58.78) v1(345.66,63.45) v1(345.81,62) v1(346.75,60.48) v1(347.81,63.37) v1(347.81,61.72) v1(348.15,153.34) v1(348.53,154.97) v1(348.93,151.31) v1(350.69,60.53) v1(350.99,58.8) v1(351.12,45.69) v1(351.6,154.99) v1(352.31,144.97) v1(352.46,61.75) v1(352.67,58.83) v1(352.67,45.69) v1(352.79,41.96) v1(353.45,77.8) v1(353.56,146.88) v1(353.5,123.55) v1(353.66,109.5) v1(353.68,127.2) v1(353.71,125.27) v1(353.73,110.92) v1(353.71,64.97) v1(353.76,63.5) v1(353.86,75.95) v1(354.14,58.88) v1(354.11,45.69) v1(354.27,43.15) v1(354.75,152.43) v1(354.8,142.94) v1(355.61,45.69) v1(355.66,63.45) v1(355.66,58.83) v1(355.84,94.61) v1(355.77,44.3) v1(355.87,110.95) v1(355.92,109.55) v1(355.89,64.97) v1(356.04,127.13) v1(355.99,125.37) v1(355.97,123.57) v1(356.11,146.81) v1(356.12,77.77) v1(356.24,139.45) v1(356.19,133.04) v1(357.7,44.58) v1(357.7,42.04) v1(358.1,154.94) v1(358.23,140.85) v1(358.23,98.8) v1(358.36,111.48) v1(358.39,105.09) v1(358.42,89.38) v1(358.46,63.68) v1(358.47,130.71) v1(358.53,125.29) v1(358.53,122.6) v1(359.12,76) v1(359.22,44.58) v1(359.22,42.04) v1(360.64,151.31) v1(360.74,58.78) v1(360.74,44.58) v1(360.74,42.04) v1(361.05,111.32) v1(361.11,125.16) v1(363.36,150.52) v1(364.32,145.97) v1(364.27,58.72) v1(364.88,151.82) v1(365.04,149.53) v1(366.09,130.44) v1(368.7,105.9) v1(369.35,57.63) v1(372.05,98.22) v1(372.45,148.92) v1(377.25,102.84) v1(381.19,103.2) v1(388.2,105.94) v1(388.48,108.94) v1(389.47,98.6) v1(396.81,102.74) v1(404.46,103.58) v1(405.52,108.84) v1(409.54,98.63) v1(414.69,91.41) v1(415.86,102.74) v1(423.2,101.45) v1(426.22,108.97) v1(431.18,101.88) v2(165.62,42.39) v2(165.62,39.7) v2(184.06,42.29) v2(184.11,39.55) v2(202.15,42.24) v2(202.15,39.6) v2(223.02,42.39) v2(243.45,41.12) v2(245.73,36.09) v2(254.06,51.89) v2(260.52,43.15) v2(395.49,58.04) v2(399.45,57.78) v2(401.79,59.61) v2(413.17,59.21) v2(415.81,60.38) v2(416.27,67.18) v2(417.74,68.76) v2(418.25,66.27) v2(419.27,53.87) v2(419.98,68.15) v2(424.4,55.91) v2(426.17,67.13) v2(426.63,75.97)
